# Allegro board HY_MWYT_3S12_V10A.brd (continued)
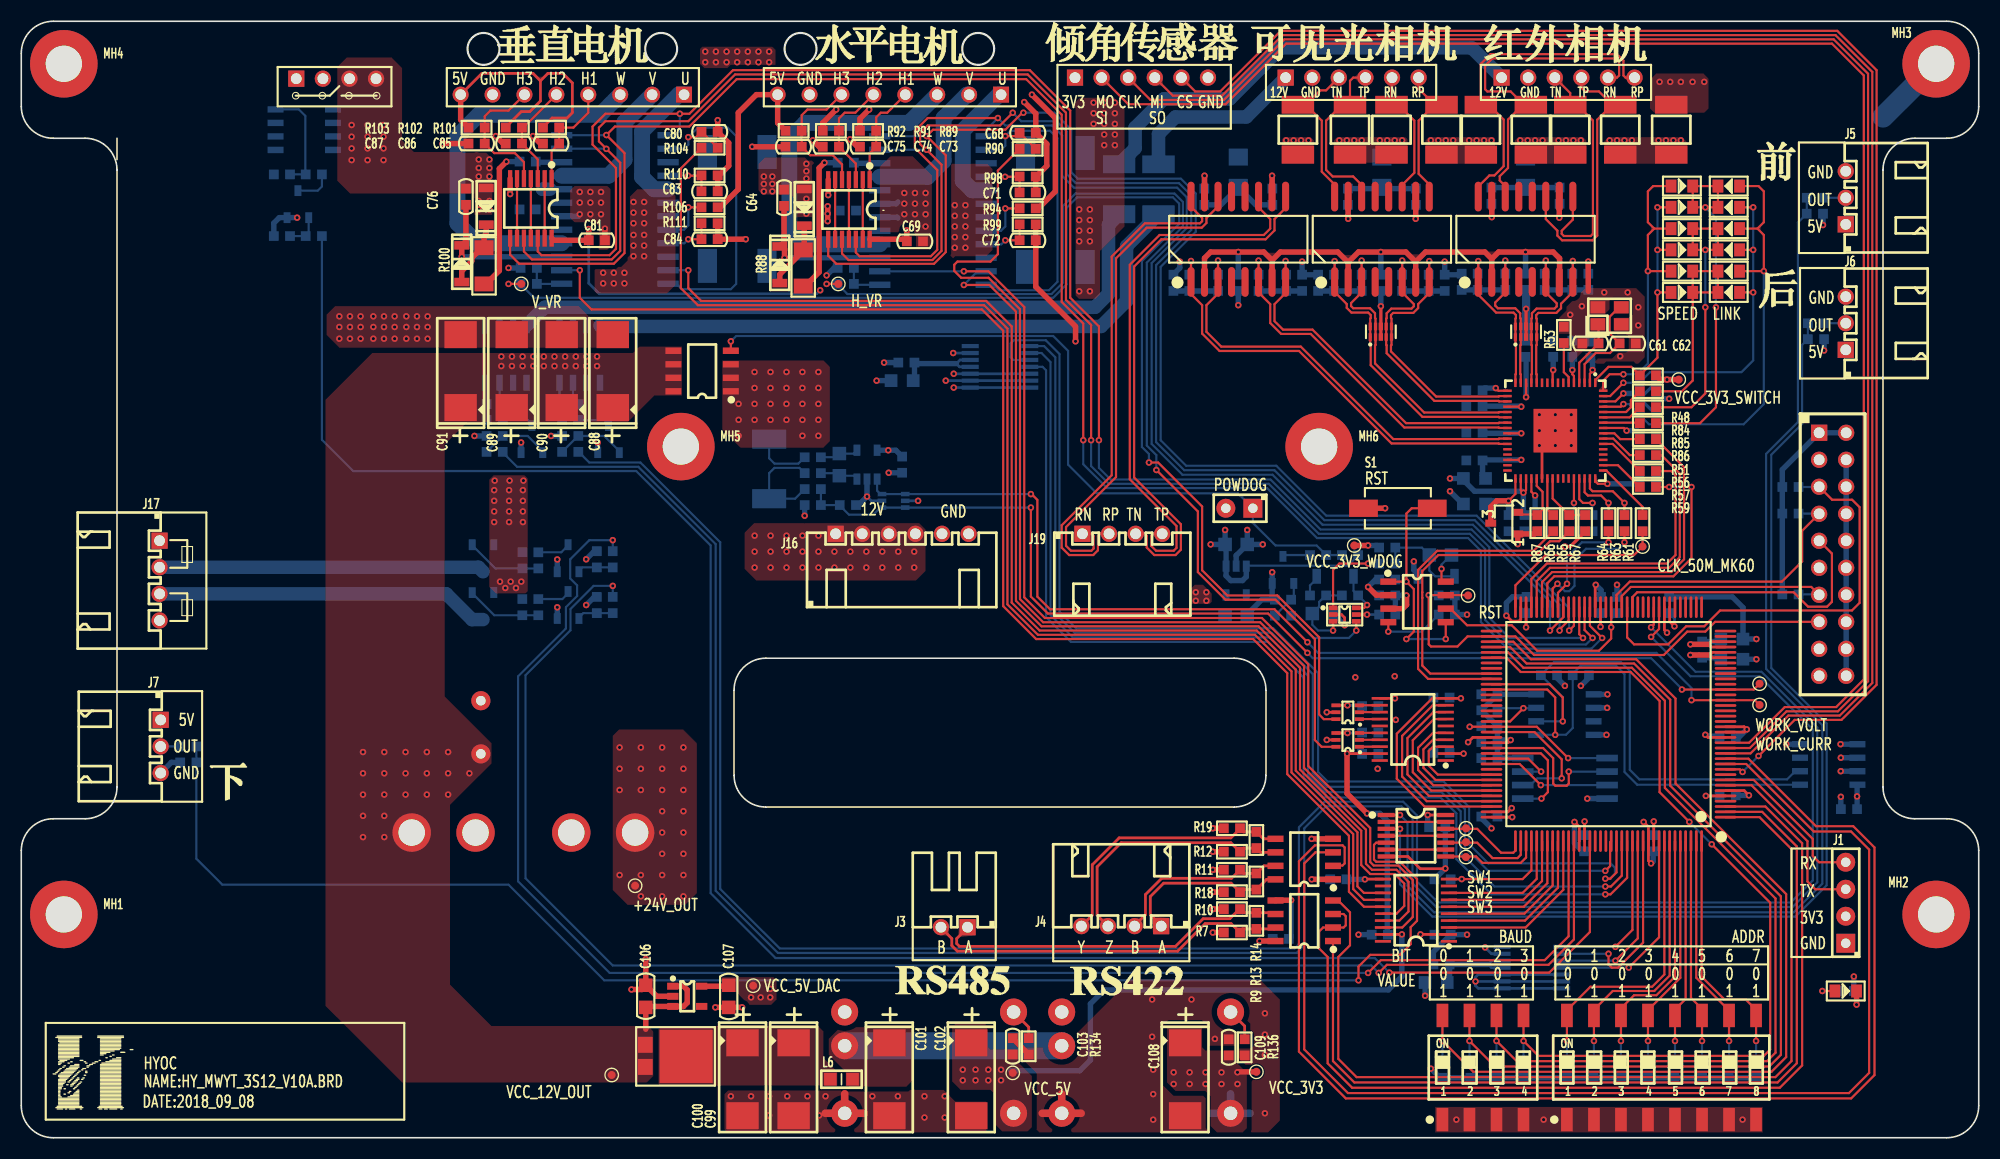
[diagram p0: board, top side]
## Footprints (pads in the part's own frame, mm; a bottom-side part is the same pattern mirrored in y, then rotated)
43650-0800
  rect 1.5x1.5 hole 1: 1(0,10.5)
  round 1.5 hole 1: 2(0,7.5) 3(0,4.5) 4(0,1.5) 5(0,-1.5) 6(0,-4.5) 7(0,-7.5) 8(0,-10.5)
C1206
  rect 1.6x1.8 smd: 1(-1.422,0) 2(1.422,0)
CAP-5R0-10X13
  round 1.8 hole 0.9: 1(0,0) 2(5,0)
CC0603
  rect 0.914x0.914 smd: 1(-0.762,0) 2(0.762,0)
CC0805
  rect 1.27x1.27 smd: 1(-1.041,0) 2(1.041,0)
CC7343_31
  rect 2.54x3.048 smd: 1(-3.429,0) 2(3.429,0)
DM-04-V
  rect 1.1x2.2 smd: 1(-3.81,-4.9) 2(-1.27,-4.9) 3(1.27,-4.9) 4(3.81,-4.9) 5(3.81,4.9) 6(1.27,4.9) 7(-1.27,4.9) 8(-3.81,4.9)
DM-08-V
  rect 1.1x2.2 smd: 1(-3.81,-4.9) 2(-1.27,-4.9) 3(1.27,-4.9) 4(3.81,-4.9) 5(6.35,-4.9) 6(8.89,-4.9) 7(11.43,-4.9) 8(13.97,-4.9) 9(13.97,4.9) 10(11.43,4.9) 11(8.89,4.9) 12(6.35,4.9) 13(3.81,4.9) 14(1.27,4.9) 15(-1.27,4.9) 16(-3.81,4.9)
FUSE1812
  rect 1.676x3.048 smd: 1(-2.349,0) 2(2.349,0)
HEADER2X1_2R54
  rect 1.778x1.778 hole 0.889: 1(-1.27,0)
  round 1.778 hole 0.889: 2(1.27,0)
HEADER4X1_2R54
  rect 1.778x1.778 hole 0.889: 1(-3.81,0)
  round 1.778 hole 0.889: 2(-1.27,0) 3(1.27,0) 4(3.81,0)
HEADER10X2_2R54
  rect 1.524x1.524 hole 1.016: 1(0,0)
  round 1.524 hole 1.016: 2(0,2.54) 3(2.54,0) 4(2.54,2.54) 5(5.08,0) 6(5.08,2.54) 7(7.62,0) 8(7.62,2.54) 9(10.16,0) 10(10.16,2.54) 11(12.7,0) 12(12.7,2.54) 13(15.24,0) 14(15.24,2.54) 15(17.78,0) 16(17.78,2.54) 17(20.32,0) 18(20.32,2.54) 19(22.86,0) 20(22.86,2.54)
HOLD250D134
  round 6.35 hole 3.404: 1(0,0)
HPSD_24V4A
  round 3.609 hole 2.489: 1(0,0) 2(6,0) 3(15,0) 4(21,0)
KEY_SMD_2
  rect 2.692x1.626 smd: 1(-3.23,0) 2(3.23,0)
L1812
  rect 1.676x3.048 smd: 1(-2.349,0) 2(2.349,0)
LC0805
  rect 1.194x1.194 smd: 1(-1.041,0) 2(1.041,0)
LED0805
  rect 1.016x1.219 smd: 1(-1.016,0) 2(1.016,0)
LQFP-144
  oval 2.032x0.254 smd: 1(-11,8.75) 2(-11,8.25) 3(-11,7.75) 4(-11,7.25) 5(-11,6.75) 6(-11,6.25) 7(-11,5.75) 8(-11,5.25) 9(-11,4.75) 10(-11,4.25) 11(-11,3.75) 12(-11,3.25) 13(-11,2.75) 14(-11,2.25) 15(-11,1.75) 16(-11,1.25) 17(-11,0.75) 18(-11,0.25) 19(-11,-0.25) 20(-11,-0.75) 21(-11,-1.25) 22(-11,-1.75) 23(-11,-2.25) 24(-11,-2.75) 25(-11,-3.25) 26(-11,-3.75) 27(-11,-4.25) 28(-11,-4.75) 29(-11,-5.25) 30(-11,-5.75) 31(-11,-6.25) 32(-11,-6.75) 33(-11,-7.25) 34(-11,-7.75) 35(-11,-8.25) 36(-11,-8.75) 73(11,-8.75) 74(11,-8.25) 75(11,-7.75) 76(11,-7.25) 77(11,-6.75) 78(11,-6.25) 79(11,-5.75) 80(11,-5.25) 81(11,-4.75) 82(11,-4.25) 83(11,-3.75) 84(11,-3.25) 85(11,-2.75) 86(11,-2.25) 87(11,-1.75) 88(11,-1.25) 89(11,-0.75) 90(11,-0.25) 91(11,0.25) 92(11,0.75) 93(11,1.25) 94(11,1.75) 95(11,2.25) 96(11,2.75) 97(11,3.25) 98(11,3.75) 99(11,4.25) 100(11,4.75) 101(11,5.25) 102(11,5.75) 103(11,6.25) 104(11,6.75) 105(11,7.25) 106(11,7.75) 107(11,8.25) 108(11,8.75)
  oval 0.254x2.032 smd: 37(-8.75,-11) 38(-8.25,-11) 39(-7.75,-11) 40(-7.25,-11) 41(-6.75,-11) 42(-6.25,-11) 43(-5.75,-11) 44(-5.25,-11) 45(-4.75,-11) 46(-4.25,-11) 47(-3.75,-11) 48(-3.25,-11) 49(-2.75,-11) 50(-2.25,-11) 51(-1.75,-11) 52(-1.25,-11) 53(-0.75,-11) 54(-0.25,-11) 55(0.25,-11) 56(0.75,-11) 57(1.25,-11) 58(1.75,-11) 59(2.25,-11) 60(2.75,-11) 61(3.25,-11) 62(3.75,-11) 63(4.25,-11) 64(4.75,-11) 65(5.25,-11) 66(5.75,-11) 67(6.25,-11) 68(6.75,-11) 69(7.25,-11) 70(7.75,-11) 71(8.25,-11) 72(8.75,-11) 109(8.75,11) 110(8.25,11) 111(7.75,11) 112(7.25,11) 113(6.75,11) 114(6.25,11) 115(5.75,11) 116(5.25,11) 117(4.75,11) 118(4.25,11) 119(3.75,11) 120(3.25,11) 121(2.75,11) 122(2.25,11) 123(1.75,11) 124(1.25,11) 125(0.75,11) 126(0.25,11) 127(-0.25,11) 128(-0.75,11) 129(-1.25,11) 130(-1.75,11) 131(-2.25,11) 132(-2.75,11) 133(-3.25,11) 134(-3.75,11) 135(-4.25,11) 136(-4.75,11) 137(-5.25,11) 138(-5.75,11) 139(-6.25,11) 140(-6.75,11) 141(-7.25,11) 142(-7.75,11) 143(-8.25,11) 144(-8.75,11)
MAG-100M-1
  oval 2.794x0.66 smd: 1(-4.013,4.445) 2(-4.013,3.175) 3(-4.013,1.905) 4(-4.013,0.635) 5(-4.013,-0.635) 6(-4.013,-1.905) 7(-4.013,-3.175) 8(-4.013,-4.445) 9(4.013,-4.445) 10(4.013,-3.175) 11(4.013,-1.905) 12(4.013,-0.635) 13(4.013,0.635) 14(4.013,1.905) 15(4.013,3.175) 16(4.013,4.445)
PTH05000WAH
  round 2.54 hole 1.27: 1(0,0) 2(0,-6.35) 3(0,-9.525) 4(15.875,-9.525) 5(15.875,0)
QFN-64
  rect 0.23x0.8 smd: 1(-3.75,-4.5) 2(-3.25,-4.5) 3(-2.75,-4.5) 4(-2.25,-4.5) 5(-1.75,-4.5) 6(-1.25,-4.5) 7(-0.75,-4.5) 8(-0.25,-4.5) 9(0.25,-4.5) 10(0.75,-4.5) 11(1.25,-4.5) 12(1.75,-4.5) 13(2.25,-4.5) 14(2.75,-4.5) 15(3.25,-4.5) 16(3.75,-4.5) 33(3.75,4.5) 34(3.25,4.5) 35(2.75,4.5) 36(2.25,4.5) 37(1.75,4.5) 38(1.25,4.5) 39(0.75,4.5) 40(0.25,4.5) 41(-0.25,4.5) 42(-0.75,4.5) 43(-1.25,4.5) 44(-1.75,4.5) 45(-2.25,4.5) 46(-2.75,4.5) 47(-3.25,4.5) 48(-3.75,4.5)
  rect 0.8x0.23 smd: 17(4.5,-3.75) 18(4.5,-3.25) 19(4.5,-2.75) 20(4.5,-2.25) 21(4.5,-1.75) 22(4.5,-1.25) 23(4.5,-0.75) 24(4.5,-0.25) 25(4.5,0.25) 26(4.5,0.75) 27(4.5,1.25) 28(4.5,1.75) 29(4.5,2.25) 30(4.5,2.75) 31(4.5,3.25) 32(4.5,3.75) 49(-4.5,3.75) 50(-4.5,3.25) 51(-4.5,2.75) 52(-4.5,2.25) 53(-4.5,1.75) 54(-4.5,1.25) 55(-4.5,0.75) 56(-4.5,0.25) 57(-4.5,-0.25) 58(-4.5,-0.75) 59(-4.5,-1.25) 60(-4.5,-1.75) 61(-4.5,-2.25) 62(-4.5,-2.75) 63(-4.5,-3.25) 64(-4.5,-3.75)
  rect 4.1x4.1 smd: 65(0,0)
R-PDSO-G6
  rect 0.35x0.85 smd: 1(-0.635,-1.079) 2(0.015,-1.079) 3(0.665,-1.079) 4(0.665,1.121) 5(0.015,1.121) 6(-0.635,1.121)
RC0603
  rect 0.914x0.914 smd: 1(-0.762,0) 2(0.762,0)
RC1206
  rect 1.397x1.778 smd: 1(-1.702,0) 2(1.702,0)
RC2512
  rect 1.8x3.2 smd: 1(-2.8,0) 2(2.8,0)
SC-88
  rect 0.813x0.432 smd: 1(-1.092,0.635) 2(-1.092,0) 3(-1.092,-0.635) 4(1.092,-0.635) 5(1.092,0) 6(1.092,0.635)
SMD4532
  rect 1.676x3.048 smd: 1(-2.349,0) 2(2.349,0)
SOD-123
  rect 0.8x1.4 smd: 1(-0.127,0) 2(3.327,0)
SOIC8
  rect 0.6x1.5 smd: 1(-1.9,-2.7) 2(-0.63,-2.7) 3(0.64,-2.7) 4(1.91,-2.7) 5(1.91,2.7) 6(0.64,2.7) 7(-0.63,2.7) 8(-1.9,2.7)
SOIC24
  rect 2x0.6 smd: 1(-5,6.985) 2(-5,5.715) 3(-5,4.445) 4(-5,3.175) 5(-5,1.905) 6(-5,0.635) 7(-5,-0.635) 8(-5,-1.905) 9(-5,-3.175) 10(-5,-4.445) 11(-5,-5.715) 12(-5,-6.985) 13(5,-6.985) 14(5,-5.715) 15(5,-4.445) 16(5,-3.175) 17(5,-1.905) 18(5,-0.635) 19(5,0.635) 20(5,1.905) 21(5,3.175) 22(5,4.445) 23(5,5.715) 24(5,6.985)
SOIC-8_208
  rect 0.635x2.032 smd: 1(-1.905,-3.962) 2(-0.635,-3.962) 3(0.635,-3.962) 4(1.905,-3.962) 5(1.905,3.962) 6(0.635,3.962) 7(-0.635,3.962) 8(-1.905,3.962)
SOT23-3
  rect 0.66x1.016 smd: 1(-1.016,-1.27) 2(1.016,-1.27) 3(0,1.27)
SOT23-5
  rect 0.65x1.06 smd: 1(-0.95,-1.354) 2(0,-1.354) 3(0.95,-1.354) 4(0.95,1.354) 5(-0.95,1.354)
SOT23_123
  rect 0.66x1.016 smd: 1(-1.016,-1.27) 2(1.016,-1.27) 3(0,1.27)
SOT23_GSD
  rect 0.66x1.016 smd: 1(-1.016,-1.27) 2(1.016,-1.27) 3(0,1.27)
SOT363
  rect 0.432x0.813 smd: 1(-0.635,-1.092) 2(0,-1.092) 3(0.635,-1.092) 4(0.635,1.092) 5(0,1.092) 6(-0.635,1.092)
TO-227A
  rect 1.5x1.4 smd: 1(1.04,-3.85) 2(-1.04,-3.85)
  rect 5x5 smd: 3(0.05,0)
TP-0R75
  round 0.75 smd: 1(0,0)
TSSOP14
  rect 0.4x1.6 smd: 1(-1.95,-2.8) 2(-1.3,-2.8) 3(-0.65,-2.8) 4(0,-2.8) 5(0.65,-2.8) 6(1.3,-2.8) 7(1.95,-2.8) 8(1.95,2.8) 9(1.3,2.8) 10(0.65,2.8) 11(0,2.8) 12(-0.65,2.8) 13(-1.3,2.8) 14(-1.95,2.8)
TSSOP20
  rect 0.25x1.52 smd: 1(-2.925,-3.1) 2(-2.275,-3.1) 3(-1.625,-3.1) 4(-0.975,-3.1) 5(-0.325,-3.1) 6(0.325,-3.1) 7(0.975,-3.1) 8(1.625,-3.1) 9(2.275,-3.1) 10(2.925,-3.1) 11(2.925,3.1) 12(2.275,3.1) 13(1.625,3.1) 14(0.975,3.1) 15(0.325,3.1) 16(-0.325,3.1) 17(-0.975,3.1) 18(-1.625,3.1) 19(-2.275,3.1) 20(-2.925,3.1)
USON-10
  rect 0.3x0.7 smd: 1(-1,-0.5) 2(-0.5,-0.5) 4(0.5,-0.5) 5(1,-0.5) 6(1,0.5) 7(0.5,0.5) 9(-0.5,0.5) 10(-1,0.5)
  rect 0.4x0.7 smd: 3(0,-0.5) 8(0,0.5)
X-4P-3R2X2R5-SMD
  rect 1.4x1.15 smd: 1(-1.1,-0.8) 2(1.1,-0.8) 3(1.1,0.8) 4(-1.1,0.8)
XHB-2AW
  rect 1.524x1.524 hole 1.016: 1(-1.25,0)
  round 1.524 hole 1.016: 2(1.25,0)
XHB-3AW
  rect 1.524x1.524 hole 1.016: 1(-2.5,0)
  round 1.524 hole 1.016: 2(0,0) 3(2.5,0)
XHB-4AW
  rect 1.524x1.524 hole 1.016: 1(-3.75,0)
  round 1.524 hole 1.016: 2(-1.25,0) 3(1.25,0) 4(3.75,0)
XHB-6AW
  rect 1.524x1.524 hole 1.016: 1(-6.25,0)
  round 1.524 hole 1.016: 2(-3.75,0) 3(-1.25,0) 4(1.25,0) 5(3.75,0) 6(6.25,0)

## Nets
+24V_OUT: J18.1 J18.2 Q7.2(S) Q8.2(S) Q12.1 Q12.2 Q12.3(S3) R125.2 R126.2 R139.1 TP12.1 U49.4(VOUT)
GND: C1.1 C2.1 C3.1 C4.1 C5.1 C6.1 C8.1 C9.1 C10.1 C11.1 C12.1 C13.1 C14.1 C15.1 C16.1 C19.1 C20.1 C21.1 C22.1 C23.2 C24.1 C26.2 C27.2 C28.2 C29.2 C30.2 C31.2 C32.2 C33.2 C34.1 C37.2 C38.2 C39.2 C40.1 C43.2 C44.1 C47.1 C48.1 C49.1 C50.1 C51.1 C52.1 C53.1 C54.1 C55.1 C56.1 C57.1 C58.1 C59.1 C60.1 C61.1 C62.1 C65.2 C66.2 C68.2 C69.1 C70.2 C71.2 C72.2 C73.2 C74.2 C75.2 C77.2 C80.2 C81.1 C82.2 C83.2 C84.2 C85.2 C86.2 C87.2 C88.2 C89.2 C90.2 C91.2 C92.1 C94.2 C99.2 C100.2 C101.2 C102.2 C103.2 C104.2 C105.2 C106.2 C107.2 C108.2 C109.2 C110.1 C111.1 D22.2(CATHODE) FB1.2 J1.1 J2.4 J2.6 J2.8 J2.10 J2.12 J2.14 J2.16 J2.18 J2.20 J5.3 J6.3 J7.3 J8.2 J9.6 J12.2 J13.2 J14.7 J15.7 J16.5 J16.6 J17.1 J17.4 L2.1 Q2.2(S) Q5.2(S) Q6.2(S) Q11.2(S) Q13.2(S) Q14.2(S) R1.2 R2.2 R7.1 R11.1 R12.1 R33.1 R53.1 R80.2 R81.2 R82.2 R83.2 R87.1 R93.2 R95.2 R98.2 R99.2 R105.2 R107.2 R110.2 R111.2 R122.1 R123.1 R124.1 R131.1 R132.1 R134.1 R136.1 R137.1 S1.1 SW1.1 SW1.2 SW1.3 SW1.4 SW1.5 SW1.6 SW1.7 SW1.8 SW2.1 SW2.2 SW2.3 SW2.4 U1.11 U2.6 U2.17 U2.18 U2.44 U2.57 U2.71 U2.93 U2.107 U2.121 U2.134 U3.11 U4.5 U5.5 U7.4 U8.5 U9.4 U10.1 U10.2 U10.4 U11.4 U11.5 U11.6 U11.7 U12.3 U13.2 U14.7 U15.38 U15.65 U19.6 U19.7 U19.18 U19.19 U20.7 U21.6 U21.7 U21.18 U21.19 U22.7 U23.2 U24.2 U26.1 U27.2 U28.2 U47.1 U48.1 U49.2 U49.3 U52.3 U52.8 U53.3 U53.8 U54.5 U54.6 U54.7 U54.8 U54.9 U54.10 U54.13 U55.5 U55.6 U55.7 U55.8 U55.9 U55.10 U55.13 X1.2 X1.4
GND_EARTH: C36.1 C42.1 C46.1 FB1.1 GDT1.2 GDT2.2 GDT3.1 GDT4.1 GDT5.2 GDT6.2 GDT7.1 GDT8.1 MH3.1
VCC_3.3V: C1.2 C3.2 C8.2 C9.2 C10.2 C11.2 C12.2 C13.2 C14.2 C15.2 C16.2 C19.2 C20.2 C21.2 C22.2 C23.1 C24.2 C27.1 C69.2 C81.2 C92.2 C108.1 C109.1 J1.2 J2.1 J2.2 J9.1 L1.1 L7.1 L8.2(B) L9.2(B) R3.1 R4.1 R5.1 R8.1 R10.2 R16.2 R17.2 R18.2 R19.2 R20.2 R21.1 R22.1 R23.1 R24.1 R36.1 R37.1 R38.1 R39.1 R40.1 R41.1 R42.1 R43.1 R44.1 R45.1 R46.1 R47.1 R135.2 TP17.1 U1.2 U2.5 U2.16 U2.43 U2.56 U2.70 U2.94 U2.108 U2.122 U2.135 U3.2 U7.8 U8.8(VCC) U9.1 U10.8 U11.8(V+) U12.2 U14.14(VCC) U20.14(VCC) U22.14(VCC) U23.5 U24.5 U48.5(VOUT)
VCC_3.3V_SWITCH: C47.2 C48.2 C49.2 L7.2(B) R48.1 R49.2 R54.2 R67.2 TP16.1 U15.33 U15.48 U15.62 U47.3(VCC)
VCC_3.3V_WDOG: C26.1 C105.1 D1.2(CATHODE) R27.1 TP14.1 U13.5(VCC) U27.5(VOUT)
VCC_5V: C2.2 C4.2 C102.1 C103.1 J5.1 J6.1 J7.1 J14.8 J15.8 R89.1 R91.1 R92.1 R94.1 R101.1 R102.1 R103.1 R106.1 TP13.1 U1.19(VCCB) U3.19(VCCB) U26.5(VOUT)
VCC_5V_DAC: C5.2 C6.2 C107.1 TP15.1 U4.4 U5.4 U28.5(VOUT)
VCC_12V: J16.1 J16.2 J16.3 J16.4 R114.2 R118.2 R119.2
VCC_12V_FARIR: F2.2 J12.1
VCC_12V_IN: C104.1 Q1.1 Q1.2 Q1.3(S3) R25.1 R115.2 R118.1 U27.1 U27.3
VCC_12V_OUT: C66.1 C88.1 C89.1 C90.1 C91.1 C106.1 D21.1 D21.2 Q1.5 Q1.6 Q1.7 Q1.8 Q3.1 Q3.2 Q3.3(S3) Q4.1 Q4.2 Q4.3(S3) R112.2 R113.2 TP11.1 U28.1 U28.3 U49.1
VCC_12V_PHOTO: F1.2 J13.1
VCC_24V_MOTOR: C64.2 C65.1 C76.2 C77.1 D16.1 D18.1 J18.3 J18.4 Q12.5 Q12.6 Q12.7 Q12.8 U19.17(VSB) U19.20 U21.17(VSB) U21.20
VDDA3V3: C18.1 L1.2(B) U2.31 U2.32
VSSA: C18.2 L2.2(B) U2.33 U2.34
ADDR0: R40.2 SW1.16 U2.137
ADDR1: R41.2 SW1.15 U2.138
ADDR2: R36.2 SW1.14 U2.139
ADDR3: R37.2 SW1.13 U2.140
ADDR4: R42.2 SW1.12 U2.141
ADDR5: R43.2 SW1.11 U2.142
ADDR6: R44.2 SW1.10 U2.143
ADDR7: R45.2 SW1.9 U2.144
ANGE_CLK: J9.3 U2.14
ANGE_CSN: J9.5 U2.10
ANGE_MISO: J9.4 U2.13
ANGE_MOSI: J9.2 U2.15
BAUD0: R38.2 SW2.8 U2.75
BAUD1: R39.2 SW2.7 U2.76
BAUD2: R46.2 SW2.6 U2.77
BAUD3: R47.2 SW2.5 U2.78
C0_LED: D9.1 D11.1 D13.1 R49.1 U15.61
C1_LED: D10.1 D12.1 D14.1 R54.1 U15.63
C2_LED: D3.1 D5.1 D7.1 U15.64
C3_LED: D4.1 D6.1 D8.1 R48.2 U15.1
CLK_50M: R61.2 TP5.1 U2.72
CTL_HEATER_1: R129.2 U2.119
CTL_HEATER_2: R130.2 U2.120
CTL_RELAY: R141.1 U2.123
DAC_H_DIN: U2.102 U3.5
DAC_H_SCLK: U2.101 U3.4
DAC_H_SYNC: U2.100 U3.3
DAC_MOTOR_OE: R2.1 U2.106 U3.10
DAC_V_DIN: U2.105 U3.9
DAC_V_SCLK: U2.104 U3.8
DAC_V_SYNC: U2.103 U3.7
E6071_AVDD_1.8V: C55.2 C56.2 C57.2 C58.2 C59.2 C60.2 L3.2(B) U15.5 U15.9 U15.14 U15.20 U15.25 U15.30
E6071_CT_1.8V: C34.2 C40.2 C44.2 C54.2 L3.1 T1.2 T1.7 T2.2 T2.7 T3.2 T3.7 U15.34 U15.35
E6071_VDD_CORE_1.2V: C50.2 C51.2 C52.2 C53.2 U15.2 U15.17 U15.36 U15.57
FARIR_RXN: GDT1.1 J12.5 T1.14
FARIR_RXP: GDT2.1 J12.6 T1.16
FARIR_TXN: GDT4.2 J12.3 T1.9
FARIR_TXP: GDT3.2 J12.4 T1.11
FARIRPOW_CON: R121.2 U2.46
H_BRK: U1.18 U19.14
H_DIAG: C68.1 R90.2 U19.2 U19.12
H_EN: R90.1 U1.17
H_ENCODER_CLK: U2.133 U54.2
H_ENCODER_CSN: U2.131 U54.1
H_ENCODER_MISO: U2.132 U54.3
H_ENCODER_MOSI: U2.136 U54.4
H_F/R: U1.16 U19.11
H_H1: U2.63 U19.1 U20.12
H_H2: U2.62 U19.23 U20.10
H_H3: U2.61 U19.24 U20.8
H_MOTOR_U: J14.1 U19.5
H_MOTOR_V: J14.2 U19.21
H_MOTOR_W: J14.3 U19.16
H_VR: R96.1 TP1.1 U4.6(VOUT)
HEATER_1: J17.2 Q7.3
HEATER_2: J17.3 Q8.3
HORI_H1: C73.1 J14.4 R89.2 U20.1
HORI_H2: C74.1 J14.5 R91.2 U20.3
HORI_H3: C75.1 J14.6 R92.2 U20.5
I2C0_PROT: R20.1 U2.90 U10.7(WP)
I2C0_SCLK: R17.1 U2.83 U10.6 U11.2
I2C0_SDATA: R16.1 U2.84 U10.5 U11.1
JTAG_TCLK: J2.9 U2.50
JTAG_TDI: J2.5 R3.2 U2.51
JTAG_TDO: J2.13 R4.2 U2.52
JTAG_TMS: J2.7 R5.2 U2.53
MDC: R66.1 U15.39
MDIO: R65.1 R67.1 U15.40
MK60_H_BRK: U1.3 U2.118
MK60_H_EN: U1.4 U2.117
MK60_H_F/R: U1.5 U2.116
MK60_MOTOR_OE: R1.1 U1.10 U2.112
MK60_V_BRK: U1.6 U2.115
MK60_V_EN: U1.7 U2.114
MK60_V_F/R: U1.8 U2.113
OUT1: J5.2 R29.1
OUT2: J6.2 R32.1
OUT3: J7.2 R34.1
P5_ID0: R56.1 U15.55
P5_ID1: R57.1 U15.54
P5_INDV: R51.1 U15.56
P5_MODE0: R63.1 R80.1 U15.47
P5_MODE1: R64.1 R81.1 U15.46
P5_MODE2: R82.1 U15.45
P5_MODE3: R83.1 U15.44
P5_OUTCLK: R61.1 U15.49
P5_OUTDV: R59.1 U15.50
PHOTO_RXN: GDT7.2 J13.5 T2.11
PHOTO_RXP: GDT8.2 J13.6 T2.9
PHOTO_TXN: GDT6.1 J13.3 T2.16
PHOTO_TXP: GDT5.1 J13.4 T2.14
PHOTOPOW_CON: R120.2 U2.45
PHOTOSW1: TP8.1 U2.109 U14.12
PHOTOSW2: TP7.1 U2.110 U14.10
PHOTOSW3: TP6.1 U2.111 U14.8
R0_LED: R86.1 U15.58
R1_LED: R85.1 U15.59
R2_LED: R84.1 U15.60
RESETN_SWITCH: R87.2 U15.37 U47.2
RMII0_CRS_DV: R59.2 U2.66
RMII0_MDC: R66.2 U2.82
RMII0_MDIO: R65.2 U2.81
RMII0_RXD0: R63.2 U2.65
RMII0_RXD1: R64.2 U2.64
RMII0_TXD0: R56.2 U2.68
RMII0_TXD1: R57.2 U2.69
RMII0_TXEN: R51.2 U2.67
RS422_A: J4.1 R13.2 R18.1 U9.8
RS422_B: J4.2 R11.2 R13.1 U9.7
RS422_Y: J4.4 R14.2 R19.1 U9.5
RS422_Z: J4.3 R12.2 R14.1 U9.6(Z)
RS485_A: J3.1 R9.2 R10.1 U8.6
RS485_B: J3.2 R7.2 R9.1 U8.7
RST1: C25.1 U12.8(W\D\O\)
RXN1: R52.2 T1.3 U15.15 U52.2 U52.9
RXN2: R71.2 T2.6 U15.19 U53.4 U53.7
RXN3: R76.2 T3.3 U15.26
RXP1: R50.2 T1.1 U15.16 U52.1 U52.10(NC4)
RXP2: R75.2 T2.8 U15.18 U53.5 U53.6
RXP3: R72.2 T3.1 U15.27
SYS_RESET#: J2.15 R21.2 TP3.1 U2.74 U12.7
T_RXN: J19.1 T3.14
T_RXP: J19.2 T3.16
T_TXN: J19.3 T3.9
T_TXP: J19.4 T3.11
TXN1: R62.2 T1.8 U15.12 U52.5 U52.6
TXN2: R68.2 T2.1 U15.22 U53.1 U53.10(NC4)
TXN3: R79.2 T3.8 U15.23
TXP1: R58.2 T1.6 U15.13 U52.4 U52.7
TXP2: R70.2 T2.3 U15.21 U53.2 U53.9
TXP3: R77.2 T3.6 U15.24
UART1_RD#: U2.3 U8.2 U8.3
UART1_RX: U2.2 U8.1
UART1_TX: U2.1 U8.4
UART3_RX: J1.4 U2.8
UART3_TX: J1.3 U2.7
UART5_RX: U2.12 U9.2
UART5_TX: U2.11 U9.3
V_BRK: U1.15 U21.14
V_DIAG: C80.1 R104.2 U21.2 U21.12
V_EN: R104.1 U1.14
V_ENCODER_CLK: U2.129 U55.2
V_ENCODER_CSN: U2.127 U55.1
V_ENCODER_MISO: U2.128 U55.3
V_ENCODER_MOSI: U2.130 U55.4
V_F/R: U1.13 U21.11
V_H1: U2.60 U21.1 U22.12
V_H2: U2.59 U21.23 U22.10
V_H3: U2.58 U21.24 U22.8
V_MOTOR_U: J15.1 U21.5
V_MOTOR_V: J15.2 U21.21
V_MOTOR_W: J15.3 U21.16
V_VR: R108.1 TP2.1 U5.6(VOUT)
VERT_H1: C85.1 J15.4 R101.2 U22.1
VERT_H2: C86.1 J15.5 R102.2 U22.3
VERT_H3: C87.1 J15.6 R103.2 U22.5
W25B_CLK: U2.92 U7.6
W25B_CS#: R8.2 U2.91 U7.1
W25B_DI: U2.96 U7.5
W25B_DO: U2.95 U7.2
W25B_HOLD#: U2.97 U7.7
W25B_WP#: U2.98 U7.3(W\P\)
WDI_INPUT_A: R22.2 U2.54 U12.6
WORK_CURR: TP9.1 U2.23 U23.1 U24.3 U24.4
WORK_VOLT: C94.1 R119.1 R124.2 TP10.1 U2.25 U24.1 U24.6
XTAL_IN: C62.2 U15.3 X1.3(OUT2)
XTAL_OUT: C61.2 U15.4(XTAL_OUT) X1.1
N11711860: C101.1 L6.2(B) U26.2 U48.2
N11711868: C99.1 C100.1 D21.3(CATHODE) L6.1
N11712694: D22.1 R135.1
N11722110: Q2.1 R31.2 R33.2
N11722176: C28.1 R30.2 R35.2 U13.3
N11722192: D2.1 R35.1 U13.6
N11722284: C25.2 D1.1 R26.2 R27.2
N11722392: J8.1 Q1.4 R25.2 R28.1
N11722646: R26.1 U13.1
N11722728: R23.2 S1.2 U12.1 U12.5
N11767334: D2.2(CATHODE) R30.1
N11931140: C46.2 R74.2 R78.2
N11931232: C36.2 R55.2 R60.2
N11931330: R60.1 T1.10
N11931334: R55.1 T1.15
N11931416: C42.2 R69.2 R73.2
N11931578: R73.1 T2.10
N11931582: R69.1 T2.15
N11932264: R78.1 T3.10
N11932268: R74.1 T3.15
N12115512: R31.1 U13.4
N16627096: R134.2 U26.4
N16779903: R24.2 U12.4
N16910912: R53.2 U15.6
N16915241: C32.1 R50.1 R52.1
N16915682: C33.1 R58.1 R62.1
N16919612: C37.1 R68.1 R70.1
N16919861: C38.1 R71.1 R75.1
N16921046: C39.1 R72.1 R76.1
N16921083: C43.1 R77.1 R79.1
N16962540: D7.2(CATHODE) D8.2(CATHODE) D13.2(CATHODE) D14.2(CATHODE) R84.2
N16962542: D5.2(CATHODE) D6.2(CATHODE) D11.2(CATHODE) D12.2(CATHODE) R85.2
N16962544: D3.2(CATHODE) D4.2(CATHODE) D9.2(CATHODE) D10.2(CATHODE) R86.2
N16985345: C93.2 R115.1 U23.4(VIN-)
N16985349: C93.1 R114.1 U23.3
N17031352: U3.18 U4.1
N17031354: U3.17 U4.2
N17031356: U3.16 U4.3
N17031358: U3.14 U5.1
N17031360: U3.13 U5.2
N17031362: U3.12 U5.3
N17036272: C29.1 R29.2 U14.1
N17036274: C30.1 R32.2 U14.3
N17036284: C31.1 R34.2 U14.5
N17036342: U14.2 U14.13
N17036352: U14.4 U14.11
N17036362: U14.6 U14.9
N17099824: Q13.1 R129.1 R131.2
N17100065: Q7.1 R125.1 R127.2
N17100313: Q14.1 R130.1 R132.2
N17100347: Q8.1 R126.1 R128.2
N17116006: C71.1 R98.1 U19.4
N17116022: C72.1 R99.1 U19.9
N17116036: C64.1 D15.2(CATHODE) U19.15
N17116110: R93.1 R95.1 U19.3 U19.10
N17116160: D15.1 D16.2(CATHODE) R88.2
N17116166: C67.2 U19.22
N17116214: R94.2 U19.8
N17116366: C70.1 R96.2 U19.13
N17116407: U20.2 U20.13
N17116421: U20.4 U20.11
N17116431: U20.6 U20.9
N17123231: C83.1 R110.1 U21.4
N17123235: C84.1 R111.1 U21.9
N17123241: C76.1 D17.2(CATHODE) U21.15
N17123303: R105.1 R107.1 U21.3 U21.10
N17123333: D17.1 D18.2(CATHODE) R100.2
N17123339: C79.2 U21.22
N17123383: R106.2 U21.8
N17123476: C82.1 R108.2 U21.13
N17123541: U22.2 U22.13
N17123555: U22.4 U22.11
N17123565: U22.6 U22.9
N17144203: Q13.3 R127.1
N17144234: Q14.3 R128.1
N17149648: Q2.3 R28.2
N17182830: R136.2 U48.4
N17192056: Q12.4 R139.2 R140.1
N17192076: Q11.3 R140.2
N17192110: Q11.1 R137.2 R141.2
N17193783: F1.1 Q3.5 Q3.6 Q3.7 Q3.8
N17193809: F2.1 Q4.5 Q4.6 Q4.7 Q4.8
N17193901: Q3.4 R112.1 R116.2
N17193907: Q4.4 R113.1 R117.2
N17193973: Q5.3 R116.1
N17193975: Q6.3 R117.1
N17194039: Q5.1 R120.1 R122.2
N17194047: Q6.1 R121.1 R123.2
N17210525: C110.2 L8.1 U54.11(VDD5V) U54.12
N17212104: C111.2 L9.1 U55.11(VDD5V) U55.12
N171161460: C67.1 R88.1
N171233290: C79.1 R100.1

Pads without a net: J2 3 11 17 19; MH1 1; MH2 1; MH4 1; MH5 1; MH6 1; T1 4 5 12 13; T2 4 5 12 13; T3 4 5 12 13; U1 1 9 12 20; U2 4 9 19 20 21 22 24 26 27 28 29 30 35 36 37 38 39 40 41 42 47 48 49 55 73 79 80 85 86 87 88 89 99 124 125 126; U3 1 6 15 20; U10 3; U11 3; U15 7 8 10 11 28 29 31 32 41 42 43 51 52 53; U26 3; U27 4; U28 4; U48 3; U54 14; U55 14

## Via types
v1: diameter 0.61, hole 0.305, TOP to BOTTOM, 703 vias

## Routing (per net, layer and track width the routed paths; a pad name or vN(x,y) marks a point on that pad's centre or on a via; arc(x,y) is an arc through that point)
+24V_OUT:
  vias: v1(44.5,61.8) v1(44.45,60.9) v1(44.45,59.9) v1(44.45,58.9) v1(44.45,57.9) v1(45,52.3) v1(45.5,51.7) v1(45.9,61.8) v1(45.85,60.9) v1(45.85,59.9) v1(45.85,58.9) v1(45.85,57.9) v1(46,52.3) v1(46.5,51.7) v1(47,52.3) v1(47.2,61.8) v1(47.15,60.9) v1(47.15,59.9) v1(47.15,58.9) v1(47.15,57.9) v1(56.24,36.7) v1(56.24,34.7) v1(56.24,32.7) v1(56.24,24.7) v1(58.24,36.7) v1(58.24,34.7) v1(58.24,32.7) v1(58.24,24.7) v1(58.24,22.7) v1(60.24,36.7) v1(60.24,34.7) v1(60.24,32.7) v1(60.24,30.7) v1(60.24,28.7) v1(60.24,26.7) v1(60.24,24.7) v1(60.24,22.7) v1(62.24,36.7) v1(62.24,34.7) v1(62.24,32.7) v1(62.24,30.7) v1(62.24,28.7) v1(62.24,26.7) v1(62.24,24.7) v1(62.24,22.7)
GND: length 420.6
  TOP w0.254: v1(133.86,25.32) 133.84,25.3 131.5,25.3 130.35,26.45 U14.7 ; v1(146,29.7) 146.45,29.25 U2.121 ; U13.2 124.1,49.2 124.4,48.9 v1(124.4,48.2) ; v1(126.3,24.3) 126.33,24.32 U1.11 ; v1(140.1,31) 139.75,30.65 U2.107 ; v1(148,52) 147.95,51.95 U2.57 ; U2.6 161.95,32.65 v1(162.4,32.2) ; v1(152.5,29.7) 152.95,29.25 U2.134 152.95,26.05 v1(153.2,25.8) ; v1(144.2,66.5) 143.26,65.56 143.26,64.87 142.95,64.56 U15.38 ; U2.44 154.45,47.75 v1(154.7,47.5) ; U4.5 v1(122.72,37.41) ; U5.5 v1(122.72,40.02) ; U3.11 v1(129.12,41.33) ; U2.71 140.95,48.75 140.78,48.58 140.12,48.58 v1(139.6,49.1) ; U2.93 136.45,37.65 v1(136,37.2) ; U2.18 161.95,38.65 v1(162.2,38.4) 161.95,38.15 U2.17
  TOP w0.3: v1(141.45,77.95) U52.8 U52.3 ; v1(127.8,78.2) U53.8 U53.3
  TOP w0.508: v1(58.7,16.8) C106.2 ; C106.2 58.7,14.3 58.34,13.94 v1(57.36,13.94) ; C106.2 59.74,13.3 U28.2 ; C75.2 v1(68.7,93.2) ; C103.2 93.2,9.34 R134.1 ; C86.2 45.3,93.5 v1(44.6,94.2) ; C73.2 78.6,93.2 v1(77.9,93.9) ; D22.2 v1(172.52,12.52) ; v1(74.4,93.8) 75,93.2 C74.2 ; v1(68.1,84.5) C84.2 R111.2 ; C83.2 R110.2 65.6,90.5 66.5,91.4 66.5,93.56 C80.2 v1(65.46,95.7) ; U20.7 v1(75.85,88.65) ; R11.1 v1(112,25.2) ; S1.1 v1(128.2,59.2) ; v1(130.2,51) 130.22,50.98 130.22,50.12 129.86,49.76 U12.3 ; v1(94.28,97.4) 95.36,96.32 C68.2 96.4,93.46 96.4,91.4 95.4,90.4 R98.2 C71.2 ; v1(140.67,55.83) U47.1 142.25,56.78 R87.1 ; C85.2 48.8,93.5 v1(48.1,94.2) ; C81.1 v1(54.86,85.5) ; R12.1 v1(112,26.9) ; U22.7 v1(45.95,88.75) ; C87.2 v1(39.6,93.5) ; v1(147.3,82.4) 147.3,79.6 ; v1(67.76,12.26) C107.2 v1(65.24,12.26) ; v1(99.1,74.9) 99.1,76.3 95.36,80.04 C72.2 R99.2 ; R7.1 v1(112,19.3) ; U8.5 117.93,22.34 v1(119.36,22.34) ; U9.4 v1(121.29,28.11)
  TOP w0.711: U48.1 97.8,4.13 ; U48.1 95.97,2.3 ; U48.1 99.63,2.3 ; U26.1 77.4,4.13 ; U26.1 79.23,2.3 ; U26.1 75.57,2.3
  L02-GND w0.711: 141.65,101.02 J12.2 141.65,98.38 ; 11.68,56.15 J17.1 ; J17.1 14.32,56.15 ; J17.1 13,57.47 ; 95.97,2.3 U48.1 ; U48.1 97.8,4.13 ; U48.1 99.63,2.3 ; J7.3 14.42,34.3 ; J7.3 11.78,34.3 ; J7.3 13.1,32.98 ; J14.7 74.1,99.41 ; J14.7 72.79,98.1 ; J14.7 74.1,96.79 ; J14.7 75.41,98.1 ; J15.7 44.3,99.41 ; J15.7 45.61,98.1 ; J15.7 44.3,96.79 ; J15.7 42.99,98.1 ; J6.3 171.5,80.42 ; J6.3 172.82,79.1 ; J6.3 170.18,79.1 ; U49.3 54.06,28.7 ; U49.3 51.7,26.34 ; U49.3 49.34,28.7 ; U49.3 51.7,31.06 ; 172.86,43.44 J2.20 171.54,42.12 ; 111.78,59.2 J8.2 113.23,60.65 ; J9.6 111.55,101.02 ; J9.6 112.87,99.7 ; J9.6 111.55,98.38 ; J5.3 171.5,92.22 ; J5.3 172.82,90.9 ; J5.3 170.18,90.9 ; U49.2 42.7,31.06 ; U49.2 40.34,28.7 ; U49.2 45.06,28.7 ; U49.2 42.7,26.34 ; 43.2,39.64 C66.2 ; C66.2 43.2,42.56 ; C66.2 44.66,41.1 ; C66.2 41.74,41.1 ; 170.05,18.29 J1.1 ; J1.1 171.5,16.84 ; J1.1 172.95,18.29 ; U26.1 77.4,4.13 ; U26.1 75.57,2.3 ; U26.1 79.23,2.3 ; 86.55,55.48 J16.5 86.55,58.12 ; 13,47.33 J17.4 ; J17.4 14.32,48.65 ; J17.4 11.68,48.65 ; J16.6 89.05,58.12 ; J16.6 89.05,55.48 ; J16.6 90.37,56.8 ; 121.35,101.02 J13.2 121.35,98.38
  BOTTOM w0.254: U55.6 U55.9 v1(86.9,71.2) ; U54.5 U54.10 136.95,15.35 136.7,15.1 v1(136.7,14.7) ; v1(79.5,60.3) 79.9,59.9 U24.2 ; U55.13 v1(87.6,73.8) ; v1(136.7,14.7) 136.7,14.3 136.95,14.05 U54.8 U54.7 ; v1(136.7,14.7) U54.9 U54.6 ; U55.5 U55.10 v1(87.65,71.85) ; v1(137.6,17.9) 138.2,17.3 U54.13 ; U55.7 U55.8 v1(87.65,70.55)
  BOTTOM w0.508: C15.1 148.5,51.5 v1(148,52) ; v1(119.36,22.34) 119.36,18.9 C19.1 ; v1(116.7,55.8) C104.2 ; C104.2 v1(115.24,57.16) ; C104.2 114.2,54.76 U27.2 ; R123.1 v1(42.6,66) ; C31.2 14.1,35.3 J7.3 ; 82.4,86.5 82.33,86.56 U19.18 ; C29.2 v1(169.36,85.84) ; R124.1 v1(73.64,58.5) ; v1(53.1,50.1) 53.86,50.86 R132.1 ; 82.4,88 82.23,87.83 U19.19 ; v1(162.4,32.2) C14.1 ; v1(117.58,53.18) Q2.2 117.58,50.85 R33.1 116.6,50.6 115.24,49.24 C105.2 ; C92.1 v1(81.54,62.54) ; C23.2 v1(171.04,32.06) ; C11.1 161.4,37.6 v1(162.2,38.4) ; C26.2 C24.1 v1(130.2,51) ; U11.6 v1(171.04,35.74) ; C8.1 160.84,50.86 161.84,49.86 L2.1 v1(163.1,46.9) ; R137.1 23.74,86.02 24.25,86.53 Q11.2 v1(25.93,86.53) ; C13.1 140.16,50.86 139.6,50.3 v1(139.6,49.1) ; U23.2 v1(79.5,60.3) 78.7,59.5 C94.2 ; J2.4 J2.6 J2.8 J2.10 J2.12 J2.14 J2.16 J2.18 J2.20 ; C4.1 v1(125.7,19.1) ; v1(153.2,25.8) 153.4,26 C9.1 ; v1(127.8,78.2) C40.1 ; v1(138.2,29.1) 137.24,30.06 C10.1 ; Q13.2 v1(50.38,54.38) ; R131.1 53.86,55.16 v1(53.1,54.4) ; v1(133.8,82.4) C38.2 135.3,81.16 C32.2 ; 149.06,31.89 v1(147.21,31.89) ; v1(146,29.7) 146,27.7 146.76,26.94 C12.1 ; U11.4 v1(165.91,37.01) ; U10.1 v1(149.1,41.7) ; U11.7 v1(171.03,34.47) ; 52.4,86.7 52.37,86.67 U21.18 ; v1(75.7,81.1) 76.4,81.8 C70.2 ; v1(120.4,82.4) C43.2 C37.2 ; Q14.2 v1(50.38,49.88) ; C49.1 v1(154.9,69.5) ; R1.2 v1(133.86,25.32) C27.2 ; C28.2 123.44,49.16 v1(124.4,48.2) ; C111.1 v1(81.1,72.9) ; Q6.2 v1(46.98,65.38) ; v1(108.9,82.4) 108.9,81.8 108.3,81.2 C39.2 ; C82.2 v1(45.8,81.8) ; v1(135.9,19.1) C3.1 132.74,17.48 C110.1 ; C22.1 v1(126.3,24.3) ; Q5.2 v1(54.18,65.38) ; C44.1 v1(114.4,78.3) ; C33.2 v1(147.3,82.4) ; U10.4 v1(149.01,37.89) ; U10.2 v1(149.07,40.43) ; R122.1 v1(49.8,66) ; C30.2 v1(169.46,74.04) ; U11.5 v1(171.01,37.01)
  BOTTOM w0.762: C34.1 141.45,79.69 v1(141.45,77.95) 141.45,75.01 C55.1
  vias: v1(29.9,77.25) v1(29.9,76.25) v1(29.9,75.15) v1(30.9,77.25) v1(30.9,76.25) v1(30.9,75.15) v1(31.9,77.25) v1(31.9,76.25) v1(31.9,75.15) v1(33.1,77.25) v1(33.1,76.25) v1(33.1,75.15) v1(34.1,77.25) v1(34.1,76.25) v1(34.1,75.15) v1(35.1,77.25) v1(35.1,76.25) v1(35.1,75.15) v1(36.2,77.25) v1(36.2,76.25) v1(36.2,75.15) v1(37.2,77.25) v1(37.2,76.25) v1(37.2,75.15) v1(38.2,77.25) v1(38.2,76.25) v1(38.2,75.15) v1(52.5,88.95) v1(52.5,87.95) v1(52.5,86.85) v1(53.5,88.95) v1(53.5,87.95) v1(53.5,86.85) v1(54.5,88.95) v1(54.5,87.95) v1(54.5,86.85) v1(54.7,81.35) v1(54.7,80.35) v1(55.7,81.35) v1(55.7,80.35) v1(56.7,81.35) v1(56.7,80.35) v1(57.55,88) v1(57.55,87) v1(57.55,86) v1(57.55,84.9) v1(57.55,83.9) v1(57.55,82.9) v1(58.55,88) v1(58.55,87) v1(58.55,86) v1(58.55,84.9) v1(58.55,83.9) v1(58.55,82.9) v1(64.3,102.15) v1(64.3,101.15) v1(65.3,102.15) v1(65.3,101.15) v1(66.3,102.15) v1(66.3,101.15) v1(66.7,3.9) v1(67.3,102.15) v1(67.3,101.15) v1(68.3,102.15) v1(68.3,101.15) v1(68.6,3.9) v1(69.3,102.15) v1(69.3,101.15) v1(70.3,102.15) v1(70.3,101.15) v1(70.3,3.9) v1(70.3,2.1) v1(72,3.9) v1(73.9,3.9) v1(75,2.1) v1(75.6,3.9) v1(80,3.9) v1(82.4,3.9) v1(83,88.85) v1(83,87.85) v1(83,86.85) v1(84,88.85) v1(84,87.85) v1(84,86.85) v1(84.9,3.9) v1(84.9,1.9) v1(85,88.85) v1(85,87.85) v1(85,86.85) v1(85,85.7) v1(86.8,3.9) v1(86.8,1.9) v1(87.75,87.7) v1(87.75,86.7) v1(87.75,85.7) v1(87.75,84.7) v1(87.75,83.7) v1(88.75,87.7) v1(88.75,86.7) v1(88.75,85.7) v1(88.75,84.7) v1(88.75,83.7) v1(99.45,87.3) v1(99.45,86.3) v1(99.45,85.3) v1(99.45,84.3) v1(99.45,79.6) v1(100.45,87.3) v1(100.45,86.3) v1(100.45,85.3) v1(100.45,84.3) v1(100.45,79.6) v1(100.8,97.35) v1(100.8,96.35) v1(100.8,95.35) v1(101.8,97.35) v1(101.8,96.35) v1(101.8,95.35) v1(101.8,94.35) v1(101.8,93.35) v1(102.8,97.35) v1(102.8,96.35) v1(102.8,95.35) v1(102.8,94.35) v1(102.8,93.35) v1(106.3,13) v1(106.3,9.5) v1(106.4,6.4) v1(106.4,4.1) v1(106.4,1.7) v1(110,13) v1(112.2,9.3) v1(116.9,11.7) v1(116.9,9.7) v1(116.9,7.8) v1(116.9,2.3) v1(125.4,43.3) v1(127.5,34.7) v1(129.1,43.4) v1(129.2,39.3) v1(134.9,1.7) v1(142.7,68) v1(142.7,66.5) v1(142.7,65.1) v1(143.1,1.7) v1(144.2,68) v1(144.2,65.1) v1(145.6,77.4) v1(145.7,68) v1(145.7,66.5) v1(145.7,65.1) v1(146.7,78.2) v1(148.8,79.5) v1(150.3,73.5) v1(151,79.5) v1(152,78.1) v1(152,76.4) v1(154,99.3) v1(155,99.3) v1(156,99.3) v1(157.1,99.3) v1(158.2,99.3) v1(161.8,1.7)
GND_EARTH: length 7.1
  BOTTOM w2: MH3.1 175,96
  vias: v1(118.9,93.8) v1(119.6,93.8) v1(120.3,93.8) v1(121,93.8) v1(123.9,93.8) v1(124.6,93.8) v1(125.3,93.8) v1(126,93.8) v1(127.7,93.8) v1(128.4,93.8) v1(129.1,93.8) v1(129.8,93.8) v1(132.5,93.8) v1(133.2,93.8) v1(133.9,93.8) v1(134.6,93.8) v1(136.1,93.8) v1(136.8,93.8) v1(137.5,93.8) v1(138.2,93.8) v1(140.9,93.8) v1(141.6,93.8) v1(142.3,93.8) v1(143,93.8) v1(144.5,93.8) v1(145.2,93.8) v1(145.9,93.8) v1(146.6,93.8) v1(149.3,93.8) v1(150,93.8) v1(150.7,93.8) v1(151.4,93.8) v1(153.9,93.8) v1(154.6,93.8) v1(155.3,93.8) v1(156,93.8)
VCC_3.3V: length 199.2
  TOP w0.254: U2.70 v1(141.45,48) ; U2.56 v1(148.45,48.05) ; U2.43 154.95,48.55 v1(155.4,48.1) ; U2.5 v1(158.35,32.15) ; U2.122 v1(146.95,29.75) ; v1(158.3,37.9) 158.55,37.65 U2.16 ; U3.2 v1(135.57,36.12) ; U2.94 139.75,37.15 v1(140,37.4) ; U1.2 v1(131.53,19.12) ; U14.14 v1(132.2,30.35) ; U2.135 v1(153.45,29.75) ; U2.108 v1(140.15,30.15)
  TOP w0.508: U12.2 127.37,51.03 v1(126.6,51.8) ; TP17.1 114.37,6.2 v1(114.32,6.15) ; U9.1 v1(121.3,24.3) ; R18.2 v1(112,23.1) ; U22.14 50.05,84.4 C81.2 v1(53.34,85.46) ; U8.8 v1(116.4,18.5) ; U20.14 83.04,84.5 C69.2 v1(83.24,85.34) ; R19.2 v1(112,29.1) ; R10.2 v1(112,21.5)
  L03-VCC w0.508: 77.3,79.5 75.3,79.5 v1(75.1,79.7)
  L03-VCC w0.711: 172.95,20.83 J1.2 170.05,20.83 ; U48.5 113.67,4.13 ; U48.5 111.85,2.3 ; U48.5 115.5,2.3 ; 167.68,66.3 J2.1 169,67.62 ; 171.54,67.62 J2.2 172.86,66.3
  L03-VCC w1.27: 99,97.5 99.05,97.55 J9.1
  BOTTOM w0.254: v1(158.3,37.9) 159.34,37.9 C11.2 ; C13.2 141.45,49.29 v1(141.45,48) ; C12.2 146.95,28.51 v1(146.95,29.75) ; v1(155.4,48.1) 155.4,48.84 C8.2 ; v1(75.1,79.7) 74.77,79.37 54.33,79.37 53.34,80.36 v1(53.34,85.46) ; C14.2 159.59,32.15 v1(158.35,32.15) ; C10.2 138.81,30.15 v1(140.15,30.15) ; v1(135.57,36.12) 134.34,36.12 C1.2 ; C9.2 153.45,28.51 v1(153.45,29.75) ; v1(148.45,48.05) 148.45,49.29 C15.2 ; C3.2 132.81,19.12 v1(131.53,19.12) ; U24.5 v1(84.3,59.9)
  BOTTOM w0.508: R22.1 v1(150,52) ; U11.8 172.56,33.16 v1(172.56,32.1) C23.1 ; C19.2 117.5,18.7 117.3,18.5 v1(116.4,18.5) ; R16.2 147.36,43.26 v1(146.6,42.5) ; C16.2 C20.2 141.13,35.7 U7.8 ; C16.2 R8.1 137.26,40.2 ; C16.2 138.96,37.4 v1(140,37.4) ; v1(121.3,24.3) C22.2 ; 137.26,40.2 C21.2 U10.8 ; 137.26,40.2 R20.2 ; R45.1 R44.1 R43.1 R42.1 R37.1 R36.1 R41.1 R40.1 R47.1 R46.1 R39.1 R38.1 133.36,5.64 v1(132.5,6.5) ; v1(134.3,60.8) 135.5,59.6 L7.1 ; U23.5 v1(81.5,64.65) 82.21,64.65 C92.2 ; C27.1 132.2,29.34 v1(132.2,30.35) ; R17.2 144.36,43.24 v1(145.1,42.5) ; R23.1 127.3,52.5 v1(126.6,51.8) 127.4,51 C24.2 ; L8.2 v1(131.96,13.36) ; R4.1 R5.1 R3.1 165.54,62.84 J2.1 J2.2 ; L9.2 v1(80.4,71.2) ; R135.2 v1(172.26,15.16) ; R21.1 R24.1 v1(135.9,49.2) ; L1.1 v1(163.1,45)
  BOTTOM w0.711: U48.5 113.67,4.13 ; U48.5 111.85,2.3 ; U48.5 115.5,2.3
  vias: v1(108.32,6.15) v1(108.32,5.05) v1(109.82,6.15) v1(109.82,5.05) v1(111.32,6.15) v1(111.32,5.05) v1(112.82,6.15) v1(112.82,5.05) v1(114.32,5.05)
VCC_3.3V_SWITCH: length 28.4
  TOP w0.203: U15.48 147.95,61.75 148.2,61.5 v1(149.1,61.5) ; U15.62 149.85,69.25 v1(150.6,70) ; U15.33 140.45,60.55 v1(139.8,59.9)
  TOP w0.3: R67.2 147,57 145.6,55.6 v1(145.1,55.6)
  TOP w0.508: v1(139.8,59.9) 138.7,59.9 138.13,59.33 U47.3 ; TP16.1 v1(154.7,71.3) 154.06,71.3 R48.1
  BOTTOM w0.3: R49.2 152.16,69.5 C49.2 153.64,71 R54.2
  BOTTOM w0.508: L7.2 137.94,59.9 v1(139.8,59.9) C48.2 ; v1(154.7,71.3) 153.96,71.3 R54.2 ; v1(150.6,70) 151.64,70 C49.2 ; C47.2 151.64,61.5 v1(149.1,61.5)
VCC_3.3V_WDOG: length 6.1
  TOP w0.254: U13.5 v1(126.5,49.2)
  TOP w0.508: TP14.1 v1(126.6,55.7)
  BOTTOM w0.254: v1(126.5,49.2) C26.1
  BOTTOM w0.508: D1.2 131.27,53.03 130.9,53.4 v1(130.9,54.2) ; R27.1 127.44,55.7 v1(126.6,55.7)
  vias: v1(110.4,51.3) v1(110.4,50.5) v1(111.4,51.3) v1(111.4,50.5)
VCC_5V: length 163
  TOP w0.254: U1.19 v1(129.78,19.12) ; 48.8,99.4 49.5,100.1 50.9,100.1 51.8,99.2 51.8,96.4 51.3,95.9 49.9,95.9 49.04,95.04 R101.1 ; 48.8,99.4 48.1,100.1 43.3,100.1 J15.8 ; 48.8,99.4 48.8,97.5 47.8,96.5 47,96.5 45.54,95.04 R102.1 ; U3.19 v1(124.62,36.12)
  TOP w0.508: R94.1 95.6,87.4 97.2,89 97.2,95.9 v1(95,98.1) ; v1(124.62,36.12) 124.62,32.38 v1(126.5,30.5) ; v1(79.7,96.7) 78.84,95.84 R89.1 ; R103.1 41.3,95.74 J15.8 ; v1(76.6,96.7) 75.34,95.44 R91.1 ; R92.1 71.1,95.44 J14.8 69.1,98.1 67.4,96.4 67.4,89.2 65.7,87.5 R106.1
  L03-VCC w0.711: 71.1,96.79 J14.8 ; J14.8 72.41,98.1 ; J14.8 71.1,99.41 ; J14.8 69.79,98.1 ; 39.99,98.1 J15.8 ; J15.8 41.3,96.79 ; J15.8 42.61,98.1 ; J15.8 41.3,99.41 ; 172.82,85.9 J5.1 171.5,84.58 ; 11.78,39.3 J7.1 ; J7.1 13.1,40.62 ; J7.1 14.42,39.3 ; 172.82,74.1 J6.1 171.5,72.78 ; U26.5 95.1,2.3 ; U26.5 93.28,4.13 ; U26.5 91.45,2.3
  BOTTOM w0.254: v1(129.78,19.12) 128.49,19.12 C4.2 ; C2.2 126.01,36.12 v1(124.62,36.12)
  BOTTOM w0.508: C4.2 128.4,19.16 128.4,29.8 127.7,30.5 v1(126.5,30.5) ; 93,6.3 99.5,6.3 100.5,7.3 100.5,12.6 101.8,13.9 128.5,13.9 129.78,15.18 v1(129.78,19.12)
  vias: v1(88.5,6.4) v1(88.5,5.4) v1(89.7,6.4) v1(89.7,5.4) v1(90.9,6.4) v1(90.9,5.4) v1(92.1,6.4) v1(92.1,5.4)
